# KiCad board Boston-keyboard-V06-1J.kicad_pcb (continued)
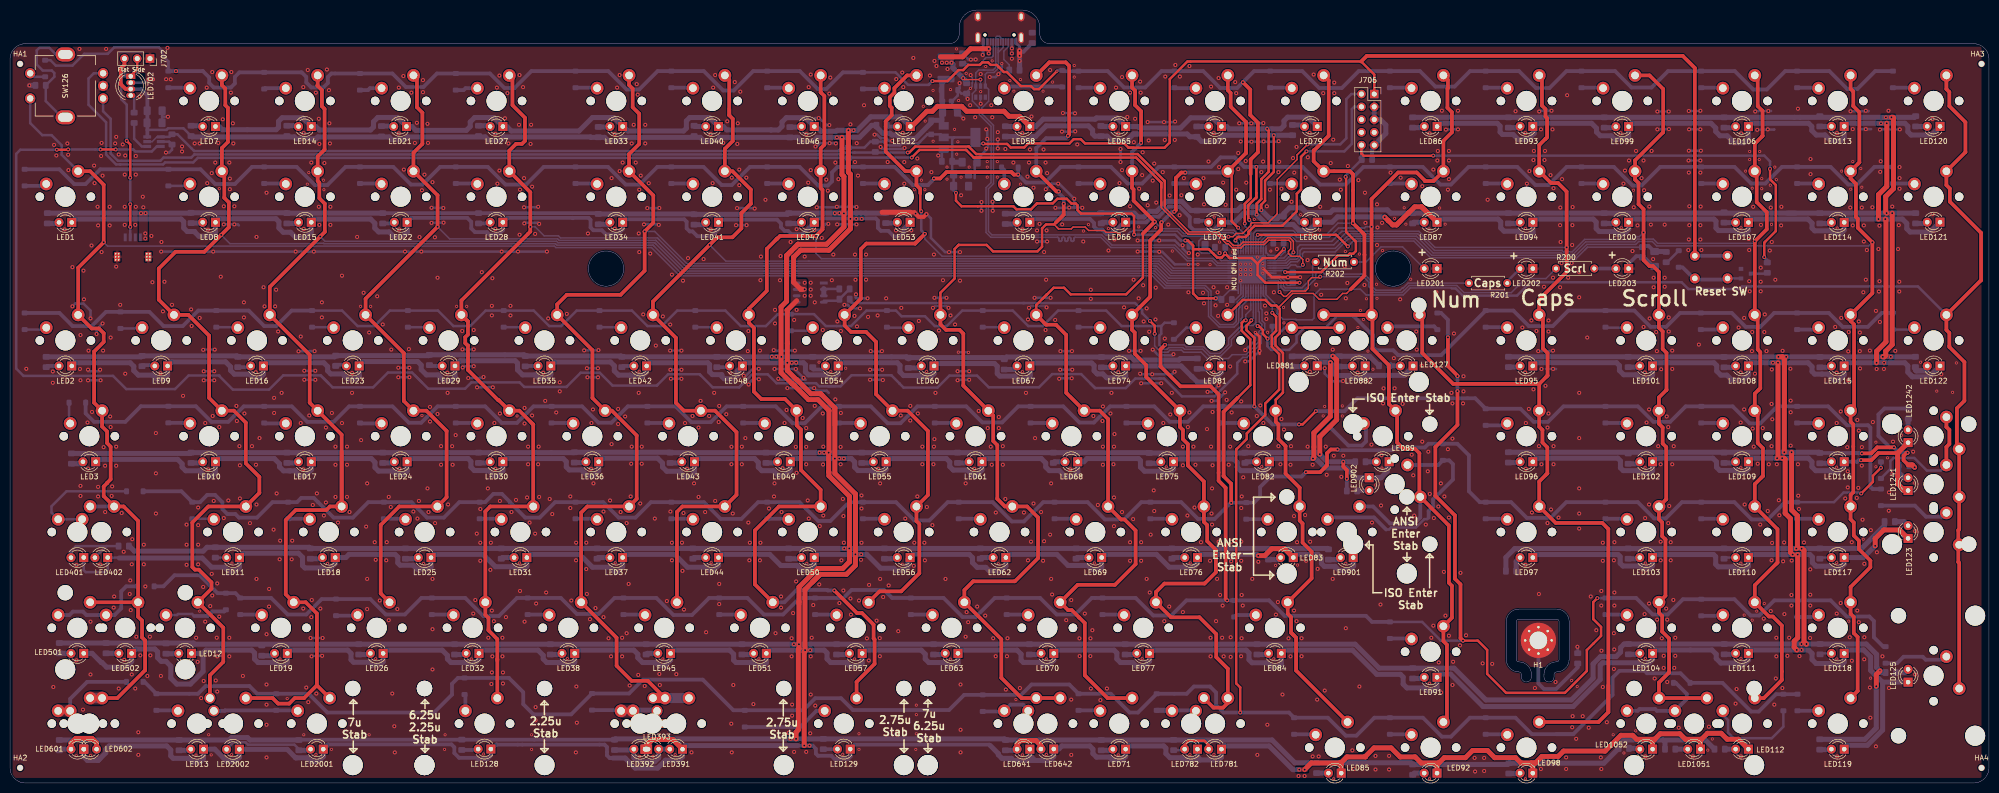
[diagram p0: board, top side]
## Routing (per net, layer and track width the routed paths; a pad name or vN(x,y) marks a point on that pad's centre or on a via; arc(x,y) is an arc through that point) (continued)
Row7: length 472.9
  Top w0.5: 243.8,66.3 243.94,66.44 ; 243.8,66.3 243.8,19.8 244.6,19 v1(244.6,14) ; 243.8,66.3 245.9,68.4 245.9,69.5 249.58,73.18 249.58,75.46 252.34,78.22 252.34,85.29 250.87,86.76 250.87,89.03 251.74,89.9 251.74,92.72 v1(250.97,93.49)
  Bottom w0.3: v1(250.97,93.49) 250.97,95.01 249.89,96.09 249.89,96.25 249.21,96.93 U701.14 249.21,97.16 249.2,97.15
  Bottom w0.75: D6.1 26.73,20.1 D13.1 37.36,17.74 38.9,19.28 47.6,19.28 49.14,17.74 D20.1 59.36,17.74 63.1,14 84.31,14 87.87,17.57 87.87,19.71 89.05,20.88 D128.1 99.19,20.88 102.03,18.04 102.03,15.66 104.06,13.64 111.57,13.64 115.72,17.79 123.08,17.79 125.84,20.54 137.74,20.54 143.82,14.46 157.71,14.46 160.11,16.85 165.22,16.85 167.58,14.5 186.7,14.5 189.72,17.51 D64.1 201.04,17.51 203.1,19.57 210.62,19.57 D71.1 218.86,17.74 222.6,14 224.26,14 D78.1 233.96,17.74 235.4,19.18 238.6,19.18 239.8,17.97 239.8,15.47 241.27,14 v1(244.6,14) 254.29,14 D85.1 262.03,12.97 265.6,9.4 267.7,9.4 271.27,12.97 D92.1 280.93,12.97 284.7,9.2 286.5,9.2 290.27,12.97 D98.1 299.33,12.97 302.6,9.7 310.82,9.7 ; D119.1 D112.1 351.15,17.65 347.7,14.2 346.2,14.2 340.5,19.9 D105.1 332.14,21.81 325.49,21.81 325,22.3 320,22.3 318.64,20.94 318.64,17.51 310.82,9.7 ; 310.82,9.7 307.4,9.7
SCRL_INDICATOR: length 4.9
  Bottom w0.5: 318.88,102.7 LED203.2
  Bottom w0.75: R200.1 319.28,102.3 LED203.2
SWCLK: length 49
  Top w0.5: v1(257.77,125.6) 256.7,124.53 256.7,118.03 255.85,117.17 255.85,113.67 252.98,110.8 247.45,110.8 246.26,109.61 246.26,109.16 245.68,108.58 244.15,108.58 243.66,108.09 v1(243.66,107.86)
  Bottom w0.3: v1(243.66,107.86) 244.21,107.31 U701.37 244.21,107.09
  Bottom w0.5: J706.4 267.26,134.46 266.8,134 266.8,127.1 265.3,125.6 v1(257.77,125.6)
SWDIO: length 63.3
  Top w0.3: v1(258,127) 255.9,124.9 255.9,123.97 251.95,120.03 251.95,113.17 250.17,111.39 246.93,111.39 246.68,111.14 246.68,110.86 245.1,109.28 243.8,109.28 243.15,108.62 v1(242.25,108.62)
  Bottom w0.3: v1(242.25,108.62) 240.61,108.62 240.27,108.28 236.89,108.28 236.35,107.74 236.35,105.92 236.9,105.38 239.34,105.38 240.83,103.88 ; U701.34 240.83,103.88 ; 240.83,103.88 240.54,104.17
  Bottom w0.5: v1(258,127) 264.5,127 265.7,128.2 265.7,136 266.7,137 J706.2
Net-(D1-Pad2): length 4.4
  Bottom w0.75: D1.2 6.81,118.73 SW1.2
Net-(D2-Pad2): length 4.4
  Bottom w0.5: SW2.2 6.81,90.16 D2.2
Net-(D3-Pad2): length 4.5
  Bottom w0.5: 11.95,75.4 D3.2 11.73,71.71 SW3.2
Net-(D4-Pad2): length 24
  Bottom w0.5: SW4-2.2 SW4-1.2 8.24,53.77 8.24,55.01 11.23,58 D4.2
Net-(D5-Pad2): length 20.7
  Bottom w0.75: SW5-2.2 20.79,33.39 22.1,34.7 22.1,38.1 23.1,39.1 D5.2 ; SW5-2.2 15.19,33.39 14.5,34.07 12.5,34.07 11.81,33.39 SW5-1.2 9.58,33.4 ; SW5-2.2 19.09,33.4
Net-(D6-Pad2): length 17.8
  Top w1: 10.06,14.34 SW6-1.2 SW6-2.2
  Bottom w0.75: D6.2 15.33,20.1 11.95,16.72 SW6-2.2
Net-(D7-Pad2): length 4.3
  Bottom w0.75: D7.2 35.67,138.26 SW7.2
Net-(D8-Pad2): length 4.4
  Bottom w0.5: D8.2 35.39,118.73 SW8.2
Net-(D9-Pad2): length 4.4
  Bottom w0.5: D9.2 26.08,90.38 SW9.2
Net-(D10-Pad2): length 4.3
  Bottom w0.5: 35.64,71.61 SW10.2
  Bottom w0.75: D10.2 35.64,71.61
Net-(D11-Pad2): length 4.3
  Bottom w0.5: D11.2 40.43,52.54 SW11.2
Net-(D12-Pad2): length 12.7
  Bottom w0.5: 36.6,33.2 36.2,33.6 33.4,33.6 33.19,33.39 SW12.2
  Bottom w0.75: 36.6,33.2 39.3,33.2 40.2,34.1 42.57,34.1 D12.2
Net-(D13-Pad2): length 4.3
  Bottom w0.75: SW13.2 33.29,14.44 D13.2
Net-(D14-Pad2): length 4.4
  Bottom w0.75: SW14.2 50.69,138.16 D14.2
Net-(D15-Pad2): length 4.3
  Bottom w0.75: SW15.2 54.72,119.21 D15.2
Net-(D16-Pad2): length 4.3
  Bottom w0.5: D16.2 45.19,90.64 SW16.2
Net-(D17-Pad2): length 4.3
  Bottom w0.5: 50.62,71.49 D17.2
  Bottom w0.75: SW17.2 50.62,71.49
Net-(D18-Pad2): length 4.3
  Bottom w0.75: D18.2 59.48,52.54 SW18.2
Net-(D19-Pad2): length 4.3
  Bottom w0.75: D19.2 49.96,33.49 SW19.2
Net-(D20-Pad2): length 16.7
  Bottom w0.75: SW20-1.2 57.1,14.44 D20.2 42.76,14.44 42.67,14.34 SW20-2.2
Net-(D21-Pad2): length 4.4
  Bottom w0.75: 69.58,137.78 71.19,137.78 71.56,138.16 SW21.2
Net-(D22-Pad2): length 4.3
  Bottom w0.75: SW22.2 73.77,119.21 D22.2
Net-(D23-Pad2): length 4.3
  Bottom w0.5: D23.2 64.24,90.64 SW23.2
Net-(D24-Pad2): length 4.3
  Bottom w0.5: 69.67,71.49 D24.2
  Bottom w0.75: SW24.2 69.67,71.49
Net-(D25-Pad2): length 4.3
  Bottom w0.75: D25.2 78.53,52.54 SW25.2
Net-(D26-Pad2): length 4.3
  Bottom w0.75: D26.2 68.98,33.26 SW26.2
Net-(D27-Pad2): length 4.4
  Bottom w0.75: 88.63,137.78 90.19,137.78 90.56,138.16 SW27.2
Net-(D28-Pad2): length 4.3
  Bottom w0.75: D28.2 92.82,119.21 SW28.2
Net-(D29-Pad2): length 4.3
  Bottom w0.5: D29.2 83.29,90.64 SW29.2
Net-(D30-Pad2): length 4.3
  Bottom w0.75: SW30.2 92.82,71.59 D30.2
Net-(D31-Pad2): length 4.3
  Bottom w0.75: SW31.2 97.58,52.54 D31.2
Net-(D32-Pad2): length 4.3
  Bottom w0.75: D32.2 88.06,33.49 SW32.2
Net-(D33-Pad2): length 4.3
  Bottom w0.75: D33.2 116.63,138.26 SW33.2
Net-(D34-Pad2): length 4.3
  Bottom w0.75: D34.2 116.63,119.21 SW34.2
Net-(D35-Pad2): length 4.3
  Bottom w0.5: D35.2 102.34,90.64 SW35.2
Net-(D36-Pad2): length 4.3
  Bottom w0.75: SW36.2 111.87,71.59 D36.2
Net-(D37-Pad2): length 4.3
  Bottom w0.75: SW37.2 116.63,52.54 D37.2
Net-(D38-Pad2): length 4.3
  Bottom w0.75: D38.2 107.11,33.49 SW38.2
Net-(D39-Pad2): length 13.1
  Top w0.5: SW39-2.2 SW39-3.2
  Bottom w0.75: SW39-2.2 121.34,14.49 D39.2
  Bottom w1: SW39-1.2 128.5,14.47 124.01,14.47 SW39-3.2
Net-(D40-Pad2): length 4.3
  Bottom w0.75: SW40.2 135.68,138.26 D40.2
Net-(D41-Pad2): length 4.3
  Bottom w0.75: D41.2 135.68,119.21 SW41.2
Net-(D42-Pad2): length 4.3
  Bottom w0.5: D42.2 121.39,90.64 SW42.2
Net-(D43-Pad2): length 4.3
  Bottom w0.75: SW43.2 130.92,71.59 D43.2
Net-(D44-Pad2): length 4.3
  Bottom w0.75: SW44.2 135.68,52.54 D44.2
Net-(D45-Pad2): length 4.3
  Bottom w0.75: SW45.2 126.16,33.49 D45.2
Net-(D46-Pad2): length 4.3
  Bottom w0.75: SW46.2 154.73,138.26 D46.2
Net-(D47-Pad2): length 4.3
  Bottom w0.75: SW47.2 154.73,119.21 D47.2
Net-(D48-Pad2): length 4.3
  Bottom w0.5: D48.2 140.44,90.64 SW48.2
Net-(D49-Pad2): length 4.3
  Bottom w0.75: D49.2 149.97,71.59 SW49.2
Net-(D50-Pad2): length 4.3
  Bottom w0.75: D50.2 154.73,52.54 SW50.2
Net-(D51-Pad2): length 4.3
  Bottom w0.75: D51.2 145.21,33.49 SW51.2
Net-(D52-Pad2): length 4.4
  Bottom w0.75: SW52.2 173.72,138.01 D52.2
Net-(D53-Pad2): length 4.3
  Bottom w0.75: D53.2 173.78,119.21 SW53.2
Net-(D54-Pad2): length 4.7
  Bottom w0.5: 159.49,90.64 SW54.2 158.97,89.92 D54.2
Net-(D55-Pad2): length 4.3
  Bottom w0.75: D55.2 169.02,71.59 SW55.2
Net-(D56-Pad2): length 4.3
  Bottom w0.75: SW56.2 173.78,52.54 D56.2
Net-(D57-Pad2): length 4.3
  Bottom w0.75: D57.2 164.26,33.49 SW57.2
Net-(D58-Pad2): length 11.6
  Bottom w0.75: 209.15,138.5 198.03,138.5 SW58.2
Net-(D59-Pad2): length 3.8
  Bottom w0.75: 197.58,119.22 SW59.2 ; SW59.2 197.69,121.86 D59.2 ; SW59.2 197.59,119.21
Net-(D60-Pad2): length 4.3
  Bottom w0.5: D60.2 174.45,90.54 SW60.2
Net-(D61-Pad2): length 4.3
  Bottom w0.75: D61.2 188.07,71.59 SW61.2
Net-(D62-Pad2): length 4.3
  Bottom w0.75: D62.2 192.83,52.54 SW62.2
Net-(D63-Pad2): length 4.3
  Bottom w0.75: D63.2 183.31,33.49 SW63.2
Net-(D64-Pad2): length 10.2
  Bottom w0.75: SW64-2.2 202.45,14.52 201.4,15.57 198.93,15.57 SW64-1.2 197.56,14.22 D64.2
Net-(D65-Pad2): length 4.3
  Bottom w0.75: D65.2 216.64,138.26 SW65.2
Net-(D66-Pad2): length 4.3
  Bottom w0.75: SW66.2 216.64,119.21 D66.2
Net-(D67-Pad2): length 4.3
  Bottom w0.5: D67.2 197.59,90.64 SW67.2
Net-(D68-Pad2): length 4.3
  Bottom w0.75: D68.2 207.12,71.59 SW68.2
Net-(D69-Pad2): length 4.3
  Bottom w0.75: D69.2 211.88,52.54 SW69.2
Net-(D70-Pad2): length 4.3
  Bottom w0.75: D70.2 202.36,33.49 SW70.2
Net-(D71-Pad2): length 4.3
  Bottom w0.75: SW71.2 216.64,14.44 D71.2
Net-(D72-Pad2): length 4.3
  Bottom w0.75: SW72.2 231.6,138.16 D72.2
Net-(D73-Pad2): length 4.3
  Bottom w0.75: SW73.2 235.69,119.21 D73.2
Net-(D74-Pad2): length 4.3
  Bottom w0.5: D74.2 216.64,90.64 SW74.2
Net-(D75-Pad2): length 4.3
  Bottom w0.75: SW75.2 226.17,71.59 D75.2
Net-(D76-Pad2): length 4.3
  Bottom w0.75: D76.2 230.93,52.54 SW76.2
Net-(D77-Pad2): length 4.3
  Bottom w0.75: D77.2 221.41,33.49 SW77.2
Net-(D78-Pad2): length 7.4
  Bottom w0.75: 231.5,14.44 235.69,14.44 SW78-1.2
  Bottom w1: D78.2 230.93,14.44 SW78-2.2
Net-(D79-Pad2): length 4.3
  Bottom w0.75: SW79.2 254.74,138.26 D79.2
Net-(D80-Pad2): length 4.3
  Bottom w0.75: SW80.2 254.74,119.21 D80.2
Net-(D81-Pad2): length 5.3
  Bottom w0.5: SW81.2 233.89,90.54 231.57,88.22 231.41,88.22
Net-(D82-Pad2): length 4.3
  Bottom w0.75: SW82.2 245.22,71.59 D82.2
Net-(D83-Pad2): length 4.3
  Bottom w0.75: D83.2 250.07,52.45 SW83.2
Net-(D84-Pad2): length 4.4
  Bottom w0.75: SW84.2 243.79,33.39 D84.2
Net-(D85-Pad2): length 4.3
  Bottom w0.75: D85.2 259.51,9.67 SW85.2
Net-(D86-Pad2): length 4.3
  Bottom w0.75: D86.2 278.56,138.26 SW86.2
Net-(D87-Pad2): length 4.3
  Bottom w0.75: SW87.2 278.56,119.21 D87.2
Net-(D88-Pad2): length 14.9
  Top w0.5: SW88-1.2 SW88-2.2
  Bottom w0.5: D88.2 251.02,88.06 253.5,90.54 SW88-1.2
Net-(D89-Pad2): length 12.5
  Bottom w0.75: D89.2 262.57,70.63 266.1,67.1 268.8,67.1 269.61,67.91 269.61,71.49
Net-(D90-Pad2): length 44.6
  Bottom w0.5: 273.6,50.4 274.2,50.4 274.59,50.79 279.53,50.79 281.2,52.46 281.76,52.46 282.06,52.76
  Bottom w0.75: SW90-2.2 283.99,63.23 D90.2 286.15,64.15 286.9,63.4 286.9,60.34 282.94,56.38 282.94,54.93 282.06,54.05 282.06,52.76 ; SW90-1.2 262.34,52.8 271.2,52.8 273.6,50.4
Net-(D91-Pad2): length 4.3
  Bottom w0.75: D91.2 278.56,28.72 SW91.2
Net-(D92-Pad2): length 4.3
  Bottom w0.75: SW92.2 278.56,9.67 D92.2
Net-(D93-Pad2): length 4.3
  Bottom w0.75: SW93.2 297.61,138.26 D93.2
Net-(D94-Pad2): length 4.3
  Bottom w0.75: D94.2 297.61,119.21 SW94.2
Net-(D95-Pad2): length 4.3
  Bottom w0.75: SW95.2 297.61,90.64 D95.2
Net-(D96-Pad2): length 4.4
  Bottom w0.75: D96.2 297.32,71.11 SW96.2
Net-(D97-Pad2): length 4.3
  Bottom w0.75: D97.2 297.61,52.54 SW97.2
Net-(D98-Pad2): length 4.3
  Bottom w0.75: D98.2 297.61,9.67 SW98.2
Net-(D99-Pad2): length 4.3
  Bottom w0.75: SW99.2 316.66,138.26 D99.2
Net-(D100-Pad2): length 4.3
  Bottom w0.75: SW100.2 316.66,119.21 D100.2
Net-(D101-Pad2): length 4.3
  Bottom w0.5: SW101.2 317.32,90.54 D101.2
Net-(D102-Pad2): length 4.3
  Bottom w0.75: D102.2 321.42,71.59 SW102.2
Net-(D103-Pad2): length 4.3
  Bottom w0.75: D103.2 321.42,52.54 SW103.2
Net-(D104-Pad2): length 4.3
  Bottom w0.75: SW104.2 321.42,33.49 D104.2
Net-(D105-Pad2): length 18.1
  Bottom w0.75: 330.75,14.63 SW105-1.2 ; SW105-1.2 333.4,16.7 333.4,17.7 331.2,19.9 D105.2 ; SW105-1.2 327.46,14.34 327.1,14.7 324,14.7 323.65,14.35 321.52,14.35 SW105-2.2
Net-(D106-Pad2): length 4.3
  Bottom w0.75: D106.2 340.47,138.26 SW106.2
Net-(D107-Pad2): length 4.3
  Bottom w0.75: D107.2 340.47,119.21 SW107.2
Net-(D108-Pad2): length 4.5
  Bottom w0.75: SW108.2 340.19,90.16 D108.2
Net-(D109-Pad2): length 4.3
  Bottom w0.75: D109.2 340.47,71.59 SW109.2
Net-(D110-Pad2): length 4.3
  Bottom w0.75: D110.2 340.47,52.54 SW110.2
Net-(D111-Pad2): length 4.4
  Bottom w0.75: SW111.2 340.41,33.23 D111.2
Net-(D112-Pad2): length 20.3
  Bottom w0.3: SW112.2 340.56,13.53
  Bottom w0.5: 340.56,13.53 341.6,12.5 341.6,10 342.7,8.9 350.3,8.9 352.6,11.2 D112.2
Net-(D113-Pad2): length 4.3
  Bottom w0.75: SW113.2 359.52,138.26 D113.2
Net-(D114-Pad2): length 4.3
  Bottom w0.75: SW114.2 359.52,119.21 D114.2
Net-(D115-Pad2): length 4.4
  Bottom w0.75: D115.2 359.24,90.16 SW115.2
Net-(D116-Pad2): length 4.3
  Bottom w0.75: D116.2 359.52,71.59 SW116.2
Net-(D117-Pad2): length 4.3
  Bottom w0.75: D117.2 359.52,52.54 SW117.2
Net-(D118-Pad2): length 4.4
  Bottom w0.75: SW118.2 359.24,33.01 D118.2
Net-(D119-Pad2): length 4.2
  Bottom w0.75: SW119.2 359.61,14.35 D119.2
Net-(D120-Pad2): length 4.3
  Bottom w0.75: D120.2 378.57,138.26 SW120.2
Net-(D121-Pad2): length 4.3
  Bottom w0.75: D121.2 378.57,119.21 SW121.2
Net-(D122-Pad2): length 4.4
  Bottom w0.5: SW122.2 378.29,90.16 D122.2
Net-(D123-Pad2): length 14.3
  Bottom w0.75: SW123.2 384.24,52.94 380.96,52.94 378.75,55.15 D123.2
Net-(D124-Pad2): length 27.1
  Top w0.75: SW124-2.2 385.01,70.78 385.6,70.2 385.6,67.4 385.01,66.81 SW124-1.2
  Bottom w0.5: D124.2 372,60.57 373.88,62.45 373.88,64.01 374.5,64.63 378.63,64.63 381.13,62.13 383.91,62.13 SW124-1.2
Net-(D125-Pad2): length 13.1
  Bottom w0.75: SW125.2 384.38,24.5 380.9,24.5 380.3,25.1 376.5,25.1 375.21,23.81 D125.2
Net-(D126-Pad2): length 3.3
  Bottom w0.5: 6.98,140.43 4.7,140.43 SW126.S2
Net-(D127-Pad2): length 10.3
  Bottom w0.75: D127.2 283.15,90.8 274.15,90.8 SW127.2
Net-(D128-Pad2): length 3.3
  Bottom w0.75: D128.2 90.53,17.42 SW128.2
Net-(D129-Pad2): length 17.2
  Bottom w0.75: SW129.2 160.33,14.34 157.15,11.16 156.3,11.16 156.27,11.12 D129.2
Net-(D703-Pad1): length 3.5
  Bottom w0.5: R711.2 329.5,103.55 D703.1
Net-(D703-Pad2): length 12.6
  Bottom w0.5: Q701.1 344.17,100.33 SW200.2
  Bottom w0.75: 332.55,102.55 335,100.1 341.5,100.1
Net-(H1-Pad1): length 19.4
  Bottom w0.75: L2.2 311.7,22.97 307.4,18.68 305,18.68 303.89,19.78 H1.1
Net-(J701-Pad3): length 38.6
  Top w0.5: LED702.1 24,140.68 25.3,141.97 25.28,141.99 J702.2 ; v1(23.9,110.58) v1(23.9,115.08) ; v1(23.2,127.67) 23.9,126.97 v1(23.9,120.38)
  Bottom w0.5: v1(23.2,127.67) 23.2,134.88 22.1,135.97 22.1,140.28 22.4,140.57 22.44,140.53 LED702.1 ; v1(23.9,115.08) v1(23.9,120.38) ; J701.3 v1(23.9,110.58)
Net-(J705-PadA5): length 10.5
  Bottom w0.3: 195.49,144.59 195.49,144.7 ; 195.49,144.59 195.16,144.26 194.06,144.26 193.81,144.01 193.81,143.99 192.6,142.78 190.5,142.78 190.22,143.05 R704.2 ; 195.49,144.59 195.49,147.97
Net-(J705-PadB5): length 7
  Bottom w0.3: 198.49,147.97 198.49,146.41 197.6,145.53 197.6,143.88 198.68,142.8 198.68,141.75
Net-(L1-Pad1): length 25
  Bottom w0.5: SW126.S 9.12,144.88 7.83,146.18 5.8,146.18 5.3,145.68 5.3,142.88 6.5,141.68 8.3,141.68 8.8,141.18 8.8,140.43 L1.1 7.1,135.6 10.33,132.38 SW126.S
Net-(LED1-Pad2): length 2.4
  Bottom w1: LED1.2 9.52,111.26 R1.2
Net-(LED2-Pad2): length 2.6
  Bottom w0.75: R2.2 7.42,82.92 LED2.2
Net-(LED3-Pad2): length 2.4
  Bottom w1: R3.2 14.1,63.48 LED3.2
Net-(LED7-Pad2): length 2.4
  Bottom w1: R7.2 38.15,130.7 LED7.2
Net-(LED8-Pad2): length 2.4
  Bottom w1: R8.2 38.15,111.34 LED8.2
Net-(LED9-Pad2): length 2.6
  Bottom w0.75: LED9.2 28.61,83.09 26.24,83.09
Net-(LED10-Pad2): length 2.4
  Bottom w1: LED10.2 38.07,63.64 R10.2
Net-(LED11-Pad2): length 2.3
  Bottom w0.5: R11.2 40.83,44.82 LED11.2
Net-(LED12-Pad2): length 2.6
  Bottom w1: LED12.2 33.47,25.7 R12.2
Net-(LED13-Pad2): length 2.4
  Bottom w1: R13.2 35.69,6.49 LED13.2
Net-(LED14-Pad2): length 2.4
  Bottom w1: R14.2 57.2,130.7 57.36,130.55
Net-(LED15-Pad2): length 2.4
  Bottom w1: 57.36,111.5 57.12,111.26 R15.2
Net-(LED16-Pad2): length 2.6
  Bottom w0.75: LED16.2 47.6,82.69 R16.2
Net-(LED17-Pad2): length 2.4
  Bottom w1: 57.36,63.87 57.12,63.64 R17.2
Net-(LED18-Pad2): length 2.5
  Bottom w1: LED18.2 61.89,44.59 R18.2
Net-(LED19-Pad2): length 2.7
  Bottom w1: R19.2 52.12,25.3 LED19.2
Net-(LED21-Pad2): length 2.4
  Bottom w1: LED21.2 76.2,130.62 R21.2
Net-(LED22-Pad2): length 2.4
  Bottom w0.75: LED22.2 76.17,111.26 R22.2
Net-(LED23-Pad2): length 2.5
  Bottom w0.75: 64.5,83.17 66.64,83.17 LED23.2
Net-(LED24-Pad2): length 2.4
  Bottom w1: R24.2 76.17,63.64 LED24.2
Net-(LED25-Pad2): length 2.6
  Bottom w1: LED25.2 80.94,44.59 R25.2
Net-(LED26-Pad2): length 2.4
  Bottom w1: LED26.2 71.41,25.54 R26.2
Net-(LED27-Pad2): length 2.4
  Bottom w1: LED27.2 95.3,130.7 R27.2
Net-(LED28-Pad2): length 2.4
  Bottom w0.75: R28.2 95.22,111.26 LED28.2
Net-(LED29-Pad2): length 2.6
  Bottom w0.75: LED29.2 83.56,82.92 R29.2
Net-(LED30-Pad2): length 2.4
  Bottom w1: R30.2 95.22,63.64 LED30.2
Net-(LED31-Pad2): length 2.6
  Bottom w1: LED31.2 97.91,44.82 R31.2
Net-(LED32-Pad2): length 2.4
  Bottom w1: R32.2 90.46,25.54 LED32.2
Net-(LED33-Pad2): length 2.3
  Bottom w1: R33.2 119.18,130.46 LED33.2
Net-(LED34-Pad2): length 2.5
  Bottom w1: R34.2 118.87,111.1 LED34.2
Net-(LED35-Pad2): length 2.6
  Bottom w0.75: R35.2 102.51,82.92 LED35.2
Net-(LED36-Pad2): length 2.4
  Bottom w1: R36.2 114.35,63.71 LED36.2
Net-(LED37-Pad2): length 2.6
  Bottom w1: LED37.2 116.96,44.82 R37.2
Net-(LED38-Pad2): length 2.4
  Bottom w1: R38.2 109.51,25.54 LED38.2
Net-(LED40-Pad2): length 2.4
  Bottom w1: R40.2 136.17,130.55 LED40.2
Net-(LED41-Pad2): length 2.5
  Bottom w1: LED41.2 137.85,111.03 R41.2
Net-(LED42-Pad2): length 2.5
  Bottom w0.75: LED42.2 121.88,82.92 R42.2
Net-(LED43-Pad2): length 2.4
  Bottom w1: R43.2 133.32,63.64 LED43.2
Net-(LED44-Pad2): length 2.6
  Bottom w1: R44.2 136.01,44.82 LED44.2
Net-(LED45-Pad2): length 2.4
  Bottom w1: R45.2 126.72,25.77 LED45.2
Net-(LED46-Pad2): length 2.4
  Bottom w1: LED46.2 157.24,130.42 R46.2
Net-(LED47-Pad2): length 2.6
  Bottom w1: R47.2 157.14,111.26 LED47.2
Net-(LED48-Pad2): length 2.6
  Bottom w0.75: R48.2 142.85,82.69 LED48.2
Net-(LED49-Pad2): length 2.4
  Bottom w1: R49.2 152.37,63.64 152.6,63.87
Net-(LED50-Pad2): length 2.6
  Bottom w1: R50.2 157.14,44.59 LED50.2
Net-(LED51-Pad2): length 2.4
  Bottom w1: LED51.2 147.61,25.54 R51.2
Net-(LED52-Pad2): length 2.3
  Bottom w0.75: LED52.2 176.45,130.53 174.11,130.53
Net-(LED53-Pad2): length 2.4
  Bottom w1: LED53.2 176.26,111.34 R53.2
Net-(LED54-Pad2): length 3.2
  Bottom w0.75: R54.2 159.59,82.33 159.72,82.21 161.42,82.21 LED54.2
Net-(LED55-Pad2): length 2.4
  Bottom w1: LED55.2 171.42,63.64 R55.2
Net-(LED56-Pad2): length 2.6
  Bottom w1: LED56.2 176.19,44.59 R56.2
Net-(LED57-Pad2): length 2.6
  Bottom w1: LED57.2 166.66,25.54 R57.2
Net-(LED58-Pad2): length 2.3
  Bottom w1: R58.2 197.98,130.55 LED58.2
Net-(LED59-Pad2): length 2.5
  Bottom w1: LED59.2 199.89,111.16 R59.2
Net-(LED60-Pad2): length 2.9
  Bottom w1: R60.2 180.79,82.53 LED60.2 181.18,82.7
Net-(LED61-Pad2): length 2.4
  Bottom w1: LED61.2 190.47,63.64 R61.2
Net-(LED62-Pad2): length 2.6
  Bottom w1: R62.2 193.16,44.82 LED62.2
Net-(LED63-Pad2): length 2.4
  Bottom w1: R63.2 185.71,25.54 LED63.2
Net-(LED65-Pad2): length 2.4
  Bottom w1: R65.2 217.03,130.55 LED65.2
Net-(LED66-Pad2): length 2.4
  Bottom w1: R66.2 217.21,111.5 LED66.2
Net-(LED67-Pad2): length 2.8
  Bottom w1: R67.2 199.52,82.21 LED67.2
Net-(LED68-Pad2): length 2.4
  Bottom w1: R68.2 207.68,63.87 LED68.2
Net-(LED69-Pad2): length 2.6
  Bottom w1: R69.2 212.21,44.82 LED69.2
Net-(LED70-Pad2): length 2.4
  Bottom w1: R70.2 204.76,25.54 LED70.2
Net-(LED71-Pad2): length 2.4
  Bottom w1: LED71.2 219.05,6.49 R71.2
Net-(LED72-Pad2): length 2.4
  Bottom w1: LED72.2 238.32,130.55 R72.2
Net-(LED73-Pad2): length 2.4
  Bottom w0.75: R73.2 238.05,111.78 LED73.2
Net-(LED74-Pad2): length 2.4
  Bottom w1: R74.2 219,82.64 LED74.2
Net-(LED75-Pad2): length 2.4
  Bottom w1: LED75.2 228.5,63.57 R75.2
Net-(LED76-Pad2): length 2.6
  Bottom w1: LED76.2 231.26,44.82 R76.2
Net-(LED77-Pad2): length 2.4
  Bottom w1: LED77.2 223.81,25.54 R77.2
Net-(LED79-Pad2): length 2.5
  Bottom w1: LED79.2 257.07,130.85 R79.2
Net-(LED80-Pad2): length 2.8
  Bottom w0.75: 257.25,111.38 LED80.2
  Bottom w1: R80.2 256.4,111.65 256.4,111.6 256.5,111.5 LED80.2
Net-(LED81-Pad2): length 2.5
  Bottom w1: 236.05,82.36 237.76,82.36 LED81.2
Net-(LED82-Pad2): length 2.4
  Bottom w1: R82.2 245.78,63.87 247.86,63.87
Net-(LED83-Pad2): length 2.5
  Bottom w1: LED83.2 252.22,44.43 250.24,44.43
Net-(LED84-Pad2): length 2.4
  Bottom w1: R84.2 250,25.54 LED84.2
Net-(LED85-Pad2): length 2.4
  Bottom w1: R85.2 262.14,1.96 LED85.2
Net-(LED86-Pad2): length 2.4
  Bottom w1: LED86.2 280.97,130.31 R86.2
Net-(LED87-Pad2): length 2.4
  Bottom w1: R87.2 279.13,111.5 LED87.2
Net-(LED89-Pad2): length 2.2
  Bottom w1: R89.2 LED89.2
Net-(LED91-Pad2): length 2.4
  Bottom w1: LED91.2 280.96,20.78 R91.2
Net-(LED92-Pad2): length 2.4
  Bottom w1: LED92.2 279.23,1.96 R92.2
Net-(LED93-Pad2): length 2.4
  Bottom w1: R93.2 299.99,130.31 LED93.2
Net-(LED94-Pad2): length 2.4
  Bottom w1: R94.2 300.02,111.26 LED94.2
Net-(LED95-Pad2): length 2.4
  Bottom w1: R95.2 300.02,82.7 LED95.2
Net-(LED96-Pad2): length 2.4
  Bottom w1: R96.2 300.08,63.71 LED96.2
Net-(LED97-Pad2): length 3.4
  Bottom w1: 299.48,42.12 299.48,44.05 LED97.2 299.97,44.55
Net-(LED98-Pad2): length 2.3
  Bottom w1: R98.2 300.16,1.88 LED98.2
Net-(LED99-Pad2): length 2.4
  Bottom w1: LED99.2 319.09,130.31 R99.2
Net-(LED100-Pad2): length 2.4
  Bottom w1: LED100.2 319.06,111.26 R100.2
Net-(LED101-Pad2): length 2.4
  Bottom w1: R101.2 323.82,82.69 LED101.2
Net-(LED102-Pad2): length 2.5
  Bottom w1: LED102.2 323.66,63.47 R102.2
Net-(LED103-Pad2): length 2.4
  Bottom w1: R103.2 323.82,44.59 LED103.2
Net-(LED104-Pad2): length 2.3
  Bottom w1: LED104.2 323.86,25.57 R104.2
Net-(LED106-Pad2): length 2.4
  Bottom w1: LED106.2 342.9,130.31 R106.2
Net-(LED107-Pad2): length 2.3
  Bottom w1: LED107.2 343.06,111.43 R107.2
Net-(LED108-Pad2): length 2.4
  Bottom w1: LED108.2 342.83,82.65 R108.2
Net-(LED109-Pad2): length 2.4
  Bottom w1: R109.2 342.87,63.64 LED109.2
Net-(LED110-Pad2): length 2.2
  Bottom w0.5: 340.95,44.82 LED110.2
Net-(LED111-Pad2): length 2.3
  Bottom w1: LED111.2 342.91,25.57 R111.2
Net-(LED112-Pad2): length 2.2
  Bottom w1: R112.2 LED112.2
Net-(LED113-Pad2): length 2.3
  Bottom w1: R113.2 362.14,130.55 LED113.2
Net-(LED114-Pad2): length 2.4
  Bottom w1: R114.2 361.95,111.26 LED114.2
Net-(LED115-Pad2): length 2.4
  Bottom w1: R115.2 361.88,82.65 LED115.2
Net-(LED116-Pad2): length 2.4
  Bottom w1: R116.2 361.85,63.57 LED116.2
Net-(LED117-Pad2): length 2.1
  Bottom w0.5: LED117.2 360,44.82
Net-(LED118-Pad2): length 2.3
  Bottom w0.5: 359.85,25.77 LED118.2
Net-(LED119-Pad2): length 2.3
  Bottom w1: R119.2 362.06,6.62 LED119.2
Net-(LED120-Pad2): length 2.3
  Bottom w1: LED120.2 381.19,130.55 R120.2
Net-(LED121-Pad2): length 2.4
  Bottom w1: LED121.2 380.95,111.26 R121.2
Net-(LED122-Pad2): length 5.7
  Bottom w1: 379.02,81.96 378.85,82.12 R122.2 ; 379.02,81.96 380.85,81.96 ; 379.02,81.96 380.98,81.96 381.2,82.18 LED122.2
Net-(LED123-Pad2): length 3
  Bottom w1: R123.2 376.6,51.96 LED123.2
Net-(LED125-Pad2): length 2.7
  Bottom w1: 374.98,21.95 376.75,21.95 LED125.2
Net-(LED127-Pad2): length 2.2
  Bottom w1: R127.2 276.38,82.97 LED127.2
Net-(LED128-Pad2): length 3.3
  Bottom w0.75: 93.07,6.74 92.89,6.56 R128.2
Net-(LED129-Pad2): length 2.8
  Bottom w0.75: LED129.2 164.5,6.71 R129.2
Net-(LED391-Pad2): length 15.8
  Bottom w0.5: LED392.2 124.03,5.93
  Bottom w1: 124.81,4.21 128.14,4.21 ; 124.81,4.21 124.03,4.99 LED392.2 123.86,6.55 R39.2 ; 124.81,4.21 124.91,4.21 ; LED393.2 128.96,4.98 128.19,4.21 ; 129.11,6.72 LED391.2
Net-(LED401-Pad2): length 14.4
  Bottom w0.5: 19.15,47.1 LED402.2 ; 19.15,47.1 21.58,47.1 ; 19.15,47.1 13.1,47.1 12.11,46.11 LED401.2
Net-(LED501-Pad2): length 2.3
  Bottom w1: LED501.2 12.1,25.78 R501.2
Net-(LED502-Pad2): length 2.5
  Bottom w1: LED502.2 21.63,25.78 R502.2
Net-(LED601-Pad2): length 10.7
  Top w1: LED601.2 12.12,7.91 13.06,8.85 16.31,8.85 17.2,7.96 LED602.2
  Bottom w1: R6.2 10.04,6.72 12.11,6.72
Net-(LED641-Pad2): length 9.5
  Top w1: LED641.2 200.23,7.74 200.92,8.42 203.99,8.42 204.98,7.43 LED642.2
  Bottom w1: R64.2 200,6.49 LED641.2
Net-(LED781-Pad2): length 9.4
  Top w0.5: LED782.2 233.55,7.56 234.39,8.4 237.47,8.4 238.33,7.53 LED781.2
  Bottom w0.5: R78.2 233.35,6.52 LED782.2
Net-(LED881-Pad2): length 2.3
  Bottom w1: LED881.2 257.24,82.8 255.15,82.8
Net-(LED882-Pad2): length 2.6
  Bottom w1: LED882.2 266.79,82.8 R882.2
Net-(LED901-Pad2): length 2.6
  Bottom w1: R901.2 264.11,44.41 LED901.2
Net-(LED902-Pad2): length 2.4
  Bottom w0.75: 270.24,58.16 270.16,58.08 R902.2
Net-(LED1051-Pad2): length 2.5
  Bottom w1: LED1051.2 R1051.2
Net-(LED1052-Pad2): length 2.2
  Bottom w1: R1052.2 323.9,6.88 LED1052.2
Net-(LED1241-Pad2): length 3.7
  Bottom w1: LED1241.2 376.56,60.69 375.55,61.72 R1241.2
Net-(LED1242-Pad2): length 2.2
  Bottom w1: LED1242.2 377.39,72.36 377.45,72.42
Net-(LED2001-Pad2): length 18.2
  Bottom w0.5: LED2002.2 44.45,8.09 46.81,8.09 47.3,7.61 56.54,7.61 57.43,6.72 R20.2
  Bottom w1: 59.74,6.72 59.5,6.49 R20.2
Net-(Q701-Pad3): length 3.5
  Bottom w0.5: 346.32,101.42 Q701.3 349.23,101.28 R703.2
Net-(Q702-Pad4): length 6.1
  Bottom w0.5: R707.2 164.91,96.2 R706.2 164.6,95.89 161.8,95.89
Net-(R200-Pad2): length 66.2
  Top w0.3: v1(260.5,100.67) 260.31,100.48 258.8,100.48 258.15,99.83 258.15,98.39 257.58,97.83 254.82,97.83 253.76,96.77 253.27,96.77 v1(252.42,97.61)
  Bottom w0.3: 271.36,97.52 270.2,98.67 270.2,99.58 269.1,100.67 ; 271.36,97.52 270.92,97.95 ; 271.36,97.52 276.75,97.52 277.18,97.95 277.23,97.95 278.2,98.92 287.68,98.92 289.1,97.5 298.5,97.5 301.3,100.3 305.38,100.3 R200.2 ; U701.12 251.92,99.38 252.2,99.1 252.2,97.83 v1(252.42,97.61) ; 269.1,100.67 v1(260.5,100.67) ; 269.1,100.67 269,100.67
Net-(R201-Pad2): length 46.1
  Bottom w0.3: 269.27,101.19 261.39,101.19 260.98,101.6 259.93,101.6 259.6,101.28 259.6,100.28 257.28,97.95 253.36,97.95 252.7,98.61 252.7,99.28 252.1,99.88 U701.11 ; 269.27,101.19 270.69,99.76 270.69,98.86 271.55,98 ; 269.27,101.19 268.59,101.19 ; 271.55,98 276.4,98 276.83,98.43 277,98.43 277.97,99.4 R201.2 ; 271.55,98 271.12,98.43
Net-(R202-Pad2): length 13.2
  Bottom w0.3: U701.10 252.28,100.38 253.2,99.46 253.2,98.79 253.55,98.44 256.87,98.44 259,100.58 259,103 R202.2
Net-(R710-Pad2): length 6.4
  Bottom w0.5: R710.2 24.67,128.1 26.2,126.58 U705.4

## Copper pours and planes (outline as drawn; the poured copper is in the pictures)
+5V on Top: 27.4,107.78 25.6,107.78 25.6,113.78 27.4,113.78
+5V on Top, Bottom: 354.8,65.33 352.2,65.33 352.2,66.33 354.8,66.33
+5V on Top, Bottom: 157.35,27.12 155.3,27.12 155.3,27.97 157.35,27.97
+5V on Top, Bottom: 356.85,46.1 354.7,46.1 354.7,47.11 356.85,47.11
+5V on Top, Bottom: 374.5,84.28 371.9,84.28 371.9,85.28 374.5,85.28
+5V on Top, Bottom: 156.8,8.28 154.7,8.28 154.7,9.28 156.8,9.28
+5V on Top, Bottom: 167.35,46.18 165.3,46.18 165.3,47.03 167.35,47.03
+5V on Top, Bottom: 357.8,27.12 355.65,27.12 355.65,28.12 357.8,28.12
+5V on Top, Bottom: 353.65,84.22 351.05,84.22 351.05,85.22 353.65,85.22
+5V on Top, Bottom: 163.21,65.17 161.85,65.17 161.85,66.17 163.21,66.17
+5V on Top, Bottom: 163.25,65.17 160.65,65.17 160.65,66.17 163.25,66.17
+5V on Top, Bottom: 166.3,112.83 163.7,112.83 163.7,113.83 166.3,113.83
+5V on Top, Bottom: 165.95,127.88 163.85,127.88 163.85,128.88 165.95,128.88
+5V on Top, Bottom: 153.85,84.22 151.25,84.22 151.25,85.22 153.85,85.22
+5V on Top, Bottom: 374.9,112.83 372.3,112.83 372.3,113.83 374.9,113.83
+5V on Top, Bottom: 374.75,131.88 372.15,131.88 372.15,132.88 374.75,132.88
+5V on Bottom: 27.5,107.67 25.6,107.67 25.6,110.17 27.5,110.17
+5V on Bottom: 188,139 186.5,139 186.25,138.75 186.25,132 186.75,131.5 186.75,129 184.75,129 184.75,131 184.25,131.5 184.25,141 188,141
GND on Top: 392,1 0.5,1 0.5,146.4 392,146.4
GND on Top: 162.49,95.82 159.39,95.82 159.39,99.87 162.49,99.87
GND on Top: 239.25,106.83 239.25,104.83 227.25,104.83 227.25,107.83 228.5,108.83 237.75,108.83
GND on Top: 191.02,113.96 187.21,113.96 187.21,116.81 191.02,116.81
GND on Bottom: 162.47,94.87 159.37,94.87 159.37,99.87 162.47,99.87
GND on Bottom: 257.25,97.75 254,97.75 254,95.75 234.3,95.75 234.3,108.25 257.25,108.25
GND on Bottom: 393.5,0.07 0,0.07 0,147.07 393.5,147.07
VBUS on Top, Bottom: 187.7,142.78 184.9,142.78 184.9,144.78 187.7,144.78
VBUS on Top, Bottom: 199.7,144.68 198.7,144.68 198.7,146.57 195.1,146.57 195.1,144.68 194.1,144.68 194.1,148.07 199.7,148.07
Col1 on Top: 18.2,15.57 16,15.57 16,18.18 18.2,18.18
LED_switch on Top: 158.43,94.82 155.18,94.83 155.2,100.22 158.45,100.2
LED_switch on Top, Bottom: 169.75,111.78 166.6,111.78 166.6,112.62 169.75,112.62
LED_switch on Top, Bottom: 356,44.93 353.9,44.93 353.9,45.93 356,45.93
LED_switch on Top, Bottom: 373.6,111.62 371,111.62 371,112.62 373.6,112.62
LED_switch on Top, Bottom: 356.8,25.93 354.7,25.93 354.7,26.93 356.8,26.93
LED_switch on Top, Bottom: 373.8,130.68 371.2,130.68 371.2,131.68 373.8,131.68
LED_switch on Top, Bottom: 352,83.03 349.9,83.03 349.9,84.03 352,84.03
LED_switch on Top, Bottom: 352.9,64.08 350.8,64.08 350.8,65.08 352.9,65.08
LED_switch on Top, Bottom: 166.2,64.03 163.6,64.03 163.6,65.03 166.2,65.03
LED_switch on Top, Bottom: 159.7,25.93 157.6,25.93 157.6,26.93 159.7,26.93
LED_switch on Top, Bottom: 373.15,83.08 370.55,83.08 370.55,84.08 373.15,84.08
LED_switch on Top, Bottom: 159.4,6.97 157.35,6.97 157.35,7.82 159.4,7.82
LED_switch on Top, Bottom: 168.2,129.38 166.15,129.38 166.15,130.22 168.2,130.22
LED_switch on Top, Bottom: 156.65,83.08 154.05,83.08 154.05,84.08 156.65,84.08
LED_switch on Top, Bottom: 258,2.18 255.8,2.18 255.8,3.18 258,3.18
LED_switch on Top, Bottom: 169.7,44.97 167.6,44.97 167.6,45.97 169.7,45.97
LED_switch on Bottom: 158.38,94.88 155.33,94.87 155.33,99.87 158.38,99.88
LED_switch on Bottom: 158.2,95.17 155.4,95.17 155.4,99.88 158.2,99.88
Net-(D6-Pad2) on Top, Bottom: 11.9,13.18 9.6,13.18 9.6,15.57 11.9,15.57
Net-(D39-Pad2) on Top, Bottom: 123.6,12.97 121.6,12.97 121.6,15.57 123.6,15.57
Net-(H1-Pad1) on Top, Bottom: 307.9,23.68 306.3,23.68 306.3,22.88 301.5,22.88 301.5,23.07 299.8,23.07 299.8,32.28 307.9,32.28
Net-(J705-PadS) on Top: 204,151.8 204,146.6 189.6,146.6 189.6,151.6 191.6,153.4 201.4,153.4
Net-(J705-PadS) on Bottom: 204,151.8 204,146.6 189.6,146.6 189.6,151.6 191.6,153.4 201.4,153.4

## Text on the board
B.Silkscreen: RGB breakout | +5V | SIG | GND | Short press for reset / Long press for bootloader | SWCLK | SWDIO | NRST | NC | +3v3 | 1u+ | 2u+ | Stepped | - + | 1.25u | + - + | 2.25u | 1.5u | Non- / Stepped | 1.5u Alt | 7u / Stab | 6.25u / 2.25u / Stab | 2.25u / Split / Space | 2.25u / Stab | 7u | +- + | 1.25u / split | 6.25u | 2.75u / Stab | 2.75u / Split | P8 | 7u / 6.25u / Stab | 1u / Alt | 1.5u / Alt | https://github.com/bluepylons/Boston | Powered by the Acheron Library | Nov-28-2021 | 1.5u Ctrl | 1u | Split | P12 | ANSI Enter | 2u | BkSpc | ISO Enter | Grounding Screw / (some versions only) | Reset SW | JLCJLCJLCJLC | + - | Right | Down | Install Stabs before soldering switches | Tilde | Esc | Shift | Ctrl | Tab | Caps | ISO  |\ | Win | 1 | P1 | F1 | Q | ~ | A | 2 | Z | Alt | P2 | F2 | W | S | 3 | X | P3 | F3 | E | D | 4 | C | P4 | F4 | R | F | 5 | V | T | P5 | F5 | G | 6 | Space | B | Y | P6 | F6 | H | 7 | N | U | P7 | F7 | J | 8 | M | I | F8 | K | 9 | < | O | L | F9 | P9 | 0 | Boston - V0.6.1J | > | P | ; | Menu | P10 | F10 | - | ? | ] | ' | P11 | F11 | # | = | [ | F12 | Left | \ | Enter | PrtSc | P13 | Up | Scroll | P14 | P17 | P18 | P16 | Pause | P15 | Num | Del | Ins | / | 00 | Home | End | * | . | PgUp | PgDn | +
F.Silkscreen: MCU QFN pad | Flat Side | 7u / Stab | 6.25u / 2.25u / Stab | 2.25u / Stab | 2.75u / Stab | 7u / 6.25u / Stab | ANSI / Enter / Stab | Num | ISO Enter Stab | ISO Enter / Stab | + | Caps | Scrl | Reset SW | Scroll
